# Altium PCB Thunderscope_Rev4.PCBDOC (part 3 of 7)
Units mm, origin at the board's own origin, x right, y up, seen from the top; angles counter-clockwise.
Board outline 119 x 103.6 mm, 6 copper layers (Top Layer, Int1 (GND), Int2 (Sign), Int3 (Sign), Int4 (GND), Bottom Layer), stack 1.49 mm thick; 636 components, 373 nets, 2159 pads, 1291 vias.
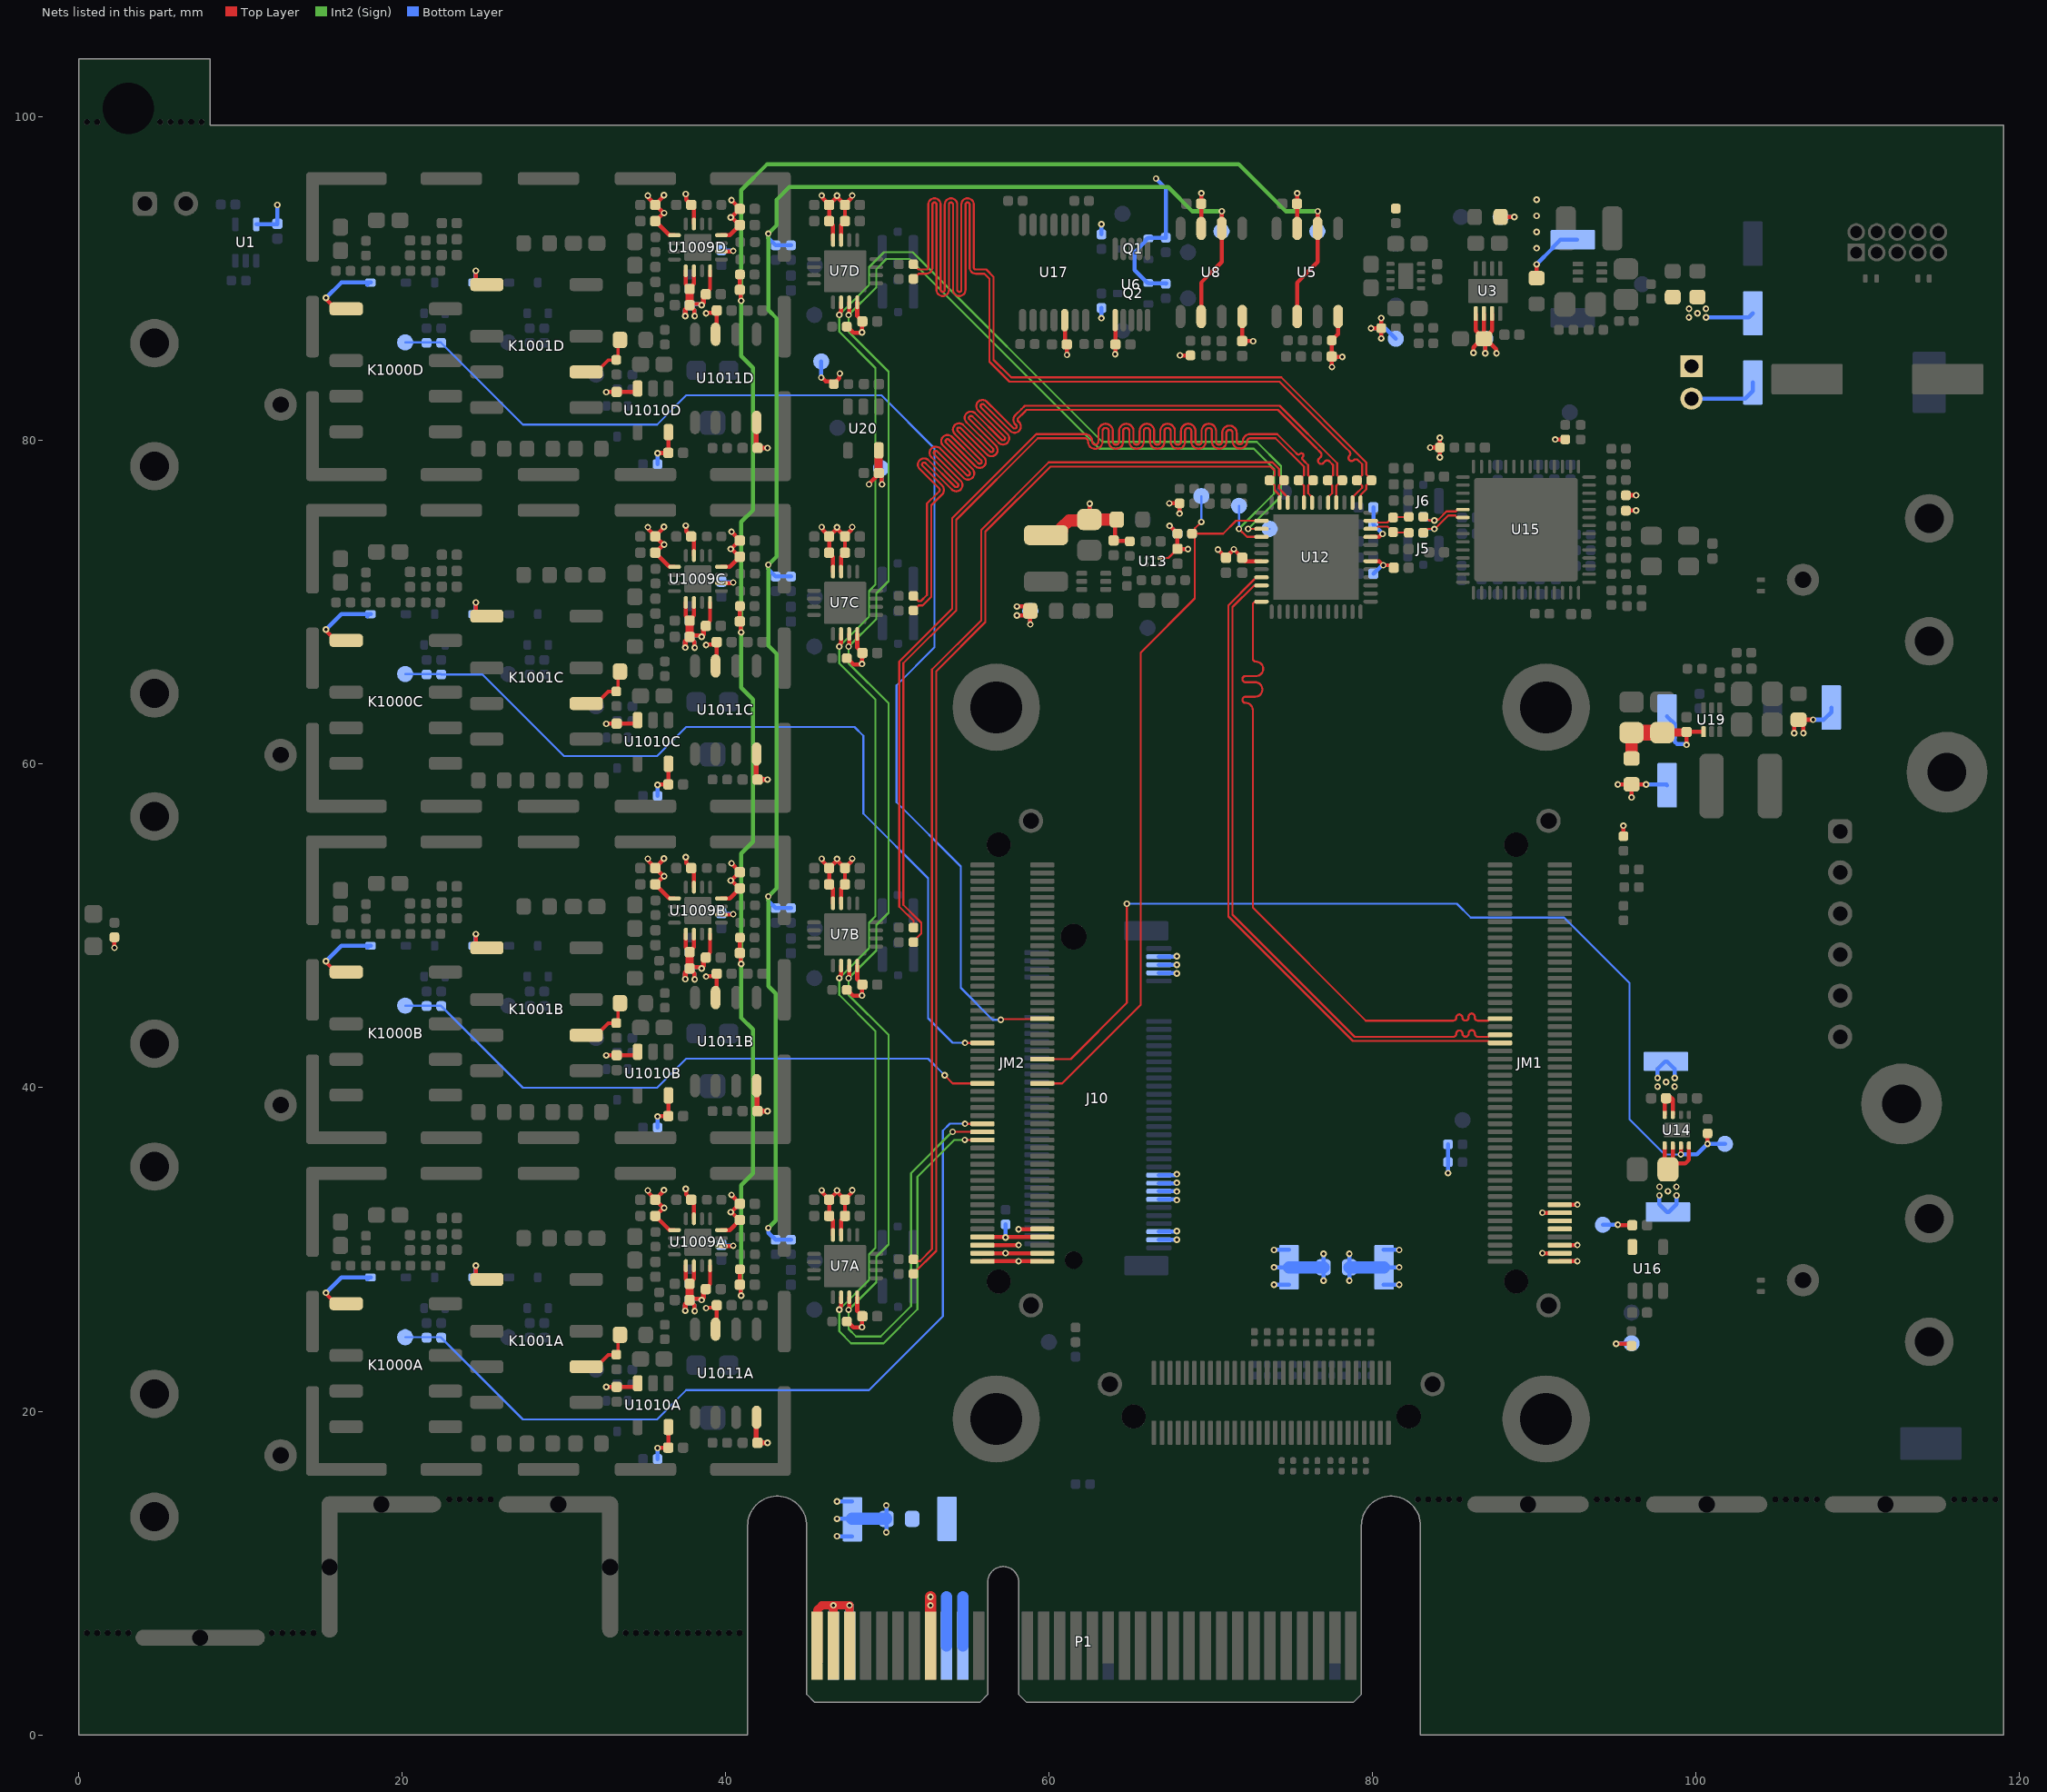
[diagram p7: the nets of this part, all layers, seen from the top]

## Via types
v1: diameter 0.406, hole 0.203, Top Layer to Bottom Layer, tented both sides, 1291 vias

## Nets (pads, with @x,y where several pads share a name; then routed paths per layer and width w, separated by ;. In a path a pad name is that pad's centre, name@x,y a point inside that pad or via, vN(x,y) a via of type N, cw(c..) or ccw(c..) an arc to the next point about the centre after c; other vN are vias at no path point) (continued)
+1V8D: C47.2 C48.2 C49.2 C50.2 FB2.2 U12.7 U12.30 | length 7.3
  Top Layer w0.25: v1(67.42,76.125) FB2.2@68.05,76.125 v1(68.05,75.495) ; C47.2@71.87,72.605 72.061,72.605 72.098,72.568 72.098,72.55 U12.7@73.118,72.55 ; C47.2@71.925,72.76 C47.2@72.098,72.587 ; U12.30@79.868,72.55 80.397,72.55 v1(80.647,72.3) C48.2@81.297,72.3
  Top Layer w0.254: v1(70.427,73.275) 70.427,73.267 C50.2@70.925,72.768 ; C50.2@70.925,72.76 C50.2@70.925,72.768 ; v1@71.41,73.281 71.925,72.766 C47.2@71.925,72.76 ; v1(71.41,73.287) 71.118,72.994 71.118,72.971 70.925,72.778 C50.2@70.925,72.768
  Bottom Layer w0.25: C49.2@80.035,71.775 80.054,71.775 80.549,72.27 80.617,72.27 v1(80.647,72.3)
+1V92: C51.2 C53.2 L2.2 R37.2 R58.1 TP38.1 | length 9.3
  Top Layer w0.254: C53.2@62.475,75.125 62.5,75.15 v1(62.5,76.105) ; R58.1@64.175,75.125 64.075,75.025 64.075,73.935 C51.2@63.975,73.835 64.005,73.805 64.945,73.805 R37.2@64.975,73.775
  Top Layer w0.75: L2.2@59.8,74.16 60.545,74.16 60.785,74.4 60.785,74.636 61.224,75.075 62.425,75.075 C53.2@62.475,75.125 R58.1@64.175,75.125
  Bottom Layer w0.254: TP38.1@62.475,75.125 62.488,75.138 62.488,76.093 v1(62.5,76.105)
+2V5: C106.2 JM1.10 JM1.12 TP31.1 U16.5 | length 1.8
  Top Layer w0.254: v1(95.15,31.525) 95.162,31.512 96.027,31.512 C106.2@96.04,31.5
  Bottom Layer w0.254: TP31.1@94.225,31.525 v1(95.15,31.525)
+3V3: C1.1 C57.2 C58.2 C61.2 C92.2 D1000A.1 D1000B.1 D1000C.1 D1000D.1 D1001A.1 D1001B.1 D1001C.1 D1001D.1 FB5.1 K1000A.1 K1000B.1 K1000C.1 K1000D.1 K1001A.1 K1001B.1 K1001C.1 K1001D.1 Q1.2 Q2.2 R5.2 R20.2 R21.2 R36.1 R42.2 R44.2 R67.2 R89.2 R90.2 R91.2 R110.1 TP8.1 TP28.1 TP47.1 U1.5 U12.33 U13.C2 U14.7 U14.8 | length 63.7
  Top Layer w0.127: U13.C2@66.825,72.75 67.365,72.75 C61.2@67.925,73.31
  Top Layer w0.254: v1(2.2,48.65) R67.2@2.2,49.3 ; v1(15.275,27.325) v1@15.287,27.325 ; v1(15.275,47.825) v1@15.287,47.825 ; v1(15.275,68.325) v1@15.287,68.325 ; v1(15.275,88.825) v1@15.287,88.825 ; v1@15.287,27.25 K1000A.1@15.888,26.65 ; v1@15.287,47.75 K1000B.1@15.888,47.15 ; v1@15.287,68.25 K1000C.1@15.888,67.65 ; v1@15.287,88.75 K1000D.1@15.888,88.15 ; K1000A.1@15.888,26.725 K1000A.1@16.53,26.725 ; K1000B.1@15.888,47.225 K1000B.1@16.53,47.225 ; K1000C.1@15.888,67.725 K1000C.1@16.53,67.725 ; K1000D.1@15.888,88.225 K1000D.1@16.53,88.225 ; v1(24.55,29) 24.55,28.417 24.692,28.275 K1001A.1@25.23,28.275 ; v1(24.55,49.5) 24.55,48.917 24.692,48.775 K1001B.1@25.23,48.775 ; v1(24.55,70) 24.55,69.417 24.692,69.275 K1001C.1@25.23,69.275 ; v1(24.55,90.5) 24.55,89.917 24.692,89.775 K1001D.1@25.23,89.775 ; v1(58,69.2) 58.55,69.2 R36.1@58.825,69.475 ; v1(58,69.75) 58.55,69.75 R36.1@58.825,69.475 ; v1(58.825,68.645) R36.1@58.825,69.475 ; v1(67.435,74.74) R42.2@67.925,74.25 C61.2@67.925,73.31 ; C61.2@67.93,73.305 v1@68.57,73.305 ; U12.33@79.868,74.05 79.87,74.052 80.382,74.052 80.57,74.24 v1(80.607,74.24) ; v1(83.55,79.575) FB5.1@84.15,79.575 ; v1(84.15,78.975) FB5.1@84.15,79.575 ; v1(84.15,80.175) FB5.1@84.15,79.575 ; v1(91.275,80.075) R89.2@91.879,80.075 ; R110.1@95.5,55.55 v1(95.5,56.2) ; R90.2@95.625,75.671 95.629,75.675 96.272,75.675 v1(96.276,75.679) ; R91.2@95.625,76.621 95.629,76.625 96.272,76.625 v1(96.276,76.629) ; U14.8@98.05,38.325 98.052,38.327 98.052,39.267 C92.2@98.135,39.35 98.308,39.177 C92.2@98.381,39.177 ; C92.2@98.3,39.525 98.55,39.275 U14.7@98.55,38.325
  Bottom Layer w0.254: U1.5@10.975,93.375 10.992,93.392 12.257,93.392 C1.1@12.275,93.41 v1(12.275,94.575) ; v1(15.275,27.325) 16.225,28.275 D1000A.1@17.95,28.275 ; v1(15.275,47.825) 16.225,48.775 D1000B.1@17.95,48.775 ; v1(15.275,68.325) 16.225,69.275 D1000C.1@17.95,69.275 ; v1(15.275,88.825) 16.225,89.775 D1000D.1@17.95,89.775 ; D1000A.1@17.827,28.152 D1000A.1@17.95,28.275 ; D1000B.1@17.827,48.652 D1000B.1@17.95,48.775 ; D1000C.1@17.827,69.152 D1000C.1@17.95,69.275 ; D1000D.1@17.827,89.652 D1000D.1@17.95,89.775 ; D1000A.1@18.07,28.275 D1000A.1@18.025,28.275 D1000A.1@17.95,28.275 ; D1000B.1@18.07,48.775 D1000B.1@18.025,48.775 D1000B.1@17.95,48.775 ; D1000C.1@18.07,69.275 D1000C.1@18.025,69.275 D1000C.1@17.95,69.275 ; D1000D.1@18.07,89.775 D1000D.1@18.025,89.775 D1000D.1@17.95,89.775 ; D1001A.1@24.445,28.275 24.521,28.351 24.521,28.971 v1(24.55,29) ; D1001B.1@24.445,48.775 24.521,48.851 24.521,49.471 v1(24.55,49.5) ; D1001C.1@24.445,69.275 24.521,69.351 24.521,69.971 v1(24.55,70) ; D1001D.1@24.445,89.775 24.521,89.851 24.521,90.471 v1(24.55,90.5) ; v1(58.825,68.645) TP28.1@58.825,69.475 ; v1(66.6,96.2) 67.2,95.6 R20.2@67.2,92.55 67.175,92.525 66.15,92.525 Q1.2@66.125,92.5 66.06,92.5 65.952,92.392 65.952,92.327 65.275,91.65 65.275,90.535 66.06,89.75 Q2.2@66.125,89.75 66.15,89.725 67.175,89.725 R21.2@67.2,89.7 R21.2@67.225,89.725 ; v1(67.435,74.74) R44.2@67.925,74.25 ; C58.2@80.035,75.875 C57.2@80.035,74.825 80.035,74.818 80.607,74.246 v1(80.607,74.24) ; v1(97.61,40.605) 97.61,41.152 98.083,41.625 TP47.1@98.125,41.625 98.19,41.625 98.663,41.152 v1(98.663,40.605) ; v1(100.6,87.62) 103.245,87.62 TP8.1@103.5,87.875
  other v1: 97.612,40.072 98.658,40.072 98.135,40.35 68.575,73.3 99.547,87.62 100.075,87.875 99.552,88.153 100.598,88.153
+3V3_IN: C91.2 JM1.2 JM1.4 JM1.6 JM1.14 JM1.16 JM2.1 JM2.2 JM2.3 JM2.4 JM2.5 JM2.7 JM2.8 JM2.10 R66.2 R87.2 R95.2 R101.2 R102.2 R104.1 TP14.1 TP32.1 TP41.1 TP46.1 U14.1 U14.2 U14.4 | length 45.7
  Top Layer w0.254: JM2.1@55.867,29.271 55.869,29.273 58.098,29.273 v1(58.1,29.275) 58.102,29.273 59.565,29.273 JM2.2@59.567,29.271 ; JM2.3@55.867,29.771 55.869,29.773 57.298,29.773 v1(57.3,29.775) 57.302,29.773 59.565,29.773 JM2.4@59.567,29.771 ; JM2.5@55.867,30.271 58.096,30.271 v1(58.1,30.275) ; JM2.7@55.867,30.771 55.877,30.76 57.29,30.76 v1(57.3,30.75) 57.31,30.76 59.557,30.76 JM2.8@59.567,30.771 ; v1(58.1,31.25) 58.11,31.26 59.557,31.26 JM2.10@59.567,31.271 ; v1(90.487,29.775) 90.489,29.773 91.565,29.773 JM1.4@91.567,29.771 ; v1(90.487,32.275) 90.489,32.273 91.565,32.273 JM1.14@91.567,32.271 ; JM1.2@91.567,29.271 91.569,29.273 92.645,29.273 v1(92.647,29.275) ; JM1.6@91.567,30.271 91.569,30.273 92.645,30.273 v1(92.647,30.275) ; JM1.16@91.567,32.771 91.569,32.773 92.645,32.773 v1(92.647,32.775) ; v1(95.05,24.175) 95.875,24.175 R104.1@96,24.05 ; U14.1@98.05,36.425 98.052,36.423 98.052,35.148 C91.2@98.25,34.95 C91.2@98.548,35.248 ; U14.2@98.55,36.425 98.548,36.423 C91.2@98.548,35.248 ; U14.4@99.55,36.425 99.55,35.55 99.309,35.309 98.609,35.309 C91.2@98.548,35.248
  Bottom Layer w0.254: v1(46.87,12.275) TP41.1@47.8,12.275 ; v1(46.87,13.35) TP41.1@47.8,13.35 ; v1(46.87,14.425) TP41.1@47.8,14.425 ; v1(49.925,12.52) R87.2@49.925,13.35 v1(49.925,14.18) ; v1(57.3,30.75) R66.2@57.3,31.55 ; v1(78.55,28.07) R95.2@78.55,28.9 v1(78.55,29.73) ; TP46.1@80.675,27.825 v1(81.63,27.825) ; TP46.1@80.675,28.9 v1(81.63,28.9) ; TP46.1@80.675,29.975 v1(81.63,29.975) ; v1(84.65,34.725) R102.2@84.65,35.4 R101.2@84.65,36.5 ; v1(95.05,24.175) 95.063,24.188 95.988,24.188 TP14.1@96,24.2 ; v1(97.722,33.345) 97.722,32.798 98.195,32.325 TP32.1@98.25,32.325 98.302,32.325 98.775,32.798 v1(98.775,33.345)
  Bottom Layer w0.75: TP41.1@47.8,13.35 R87.2@49.925,13.35 ; R95.2@78.55,28.9 80.675,28.9 TP46.1@80.7,28.9
  other v1: 98.25,33.6 97.727,33.878 98.773,33.878
+3V3_M2: J10.3 J10.5 J10.13 J10.15 J10.17 J10.19 J10.69 J10.71 J10.73 R95.1 TP45.1 | length 16.6
  Bottom Layer w0.254: J10.3@66.775,30.6 v1(67.88,30.6) ; J10.5@66.775,31.1 67.805,31.1 67.839,31.133 v1(67.88,31.133) ; J10.13@66.775,33.1 67.797,33.1 67.839,33.058 v1(67.88,33.058) ; J10.15@66.775,33.6 66.779,33.596 67.876,33.596 v1(67.88,33.592) ; J10.17@66.775,34.1 67.855,34.1 v1(67.88,34.125) ; J10.19@66.775,34.6 67.78,34.6 67.839,34.658 v1(67.88,34.658) ; J10.69@66.775,47.1 66.792,47.083 67.863,47.083 v1(67.88,47.067) ; J10.71@66.775,47.6 v1(67.88,47.6) ; J10.73@66.775,48.1 67.805,48.1 67.839,48.133 v1(67.88,48.133) ; v1(73.895,27.825) TP45.1@74.825,27.825 ; v1(73.895,28.9) TP45.1@74.825,28.9 ; v1(73.895,29.975) TP45.1@74.825,29.975 ; v1(76.95,28.07) R95.1@76.95,28.9 v1(76.95,29.73)
  Bottom Layer w0.75: TP45.1@74.825,28.9 R95.1@76.95,28.9
+3V3_PCIe: P1.A9 P1.A10 P1.B8 R87.1 TP40.1 | length 9.1
  Top Layer w0.7: P1.B8@52.65,5.5 v1(52.65,8) v1(52.65,8.533)
  Bottom Layer w0.7: P1.A9@53.65,5.5 53.65,8.525 ; P1.A10@54.65,5.5 54.65,8.525
+3V3_PGA: C26A.2 C26B.2 C26C.2 C26D.2 C126.2 R29A.2 R29B.2 R29C.2 R29D.2 TP53.1 U7A.12 U7B.12 U7C.12 U7D.12 U20.5 | length 16.5
  Top Layer w0.254: R29A.2@47.5,25.55 47.512,25.55 47.887,25.175 48.4,25.175 v1(48.425,25.2) 48.432,25.207 48.432,25.868 C26A.2@48.44,25.875 48.44,25.893 48.125,26.208 U7A.12@48.125,27.05 ; R29B.2@47.5,46.05 47.512,46.05 47.887,45.675 48.4,45.675 v1(48.425,45.7) 48.432,45.707 48.432,46.368 C26B.2@48.44,46.375 48.44,46.393 48.125,46.708 U7B.12@48.125,47.55 ; R29C.2@47.5,66.55 47.512,66.55 47.887,66.175 48.4,66.175 v1(48.425,66.2) 48.432,66.208 48.432,66.868 C26C.2@48.44,66.875 48.44,66.893 48.125,67.208 U7C.12@48.125,68.05 ; R29D.2@47.5,87.05 47.512,87.05 47.887,86.675 48.4,86.675 v1(48.425,86.7) 48.432,86.707 48.432,87.368 C26D.2@48.44,87.375 48.44,87.393 48.125,87.708 U7D.12@48.125,88.55 ; v1(48.856,77.3) 48.856,77.341 49.287,77.772 49.287,77.827 C126.2@49.46,78 49.621,77.839 49.621,77.329 v1(49.65,77.3)
  Top Layer w0.5: U20.5@49.45,79.4 49.455,79.395 49.455,78.005 C126.2@49.46,78
  Bottom Layer w0.254: TP53.1@49.6,78.3 49.625,78.275 49.625,77.325 v1(49.65,77.3)
+5V: C7.2 C12.1 C13.2 C17.1 C22A.2 C22B.2 C22C.2 C22D.2 C23A.2 C23B.2 C23C.2 C23D.2 C24A.2 C24B.2 C24C.2 C24D.2 C25A.2 C25B.2 C25C.2 C25D.2 C107.2 C1039A.2 C1039B.2 C1039C.2 C1039D.2 C1040A.1 C1040B.1 C1040C.1 C1040D.1 C1041A.1 C1041B.1 C1041C.1 C1041D.1 C1042A.1 C1042B.1 C1042C.1 C1042D.1 C1043A.2 C1043B.2 C1043C.2 C1043D.2 C1044A.2 C1044B.2 C1044C.2 C1044D.2 C1045A.2 C1045B.2 C1045C.2 C1045D.2 R22.2 R23.2 R24.2 R117.1 R1060A.2 R1060B.2 R1060C.2 R1060D.2 TP10.1 TP54.1 U3.1 U3.2 U3.3 U5.7 U6.1 U7A.3 U7A.4 U7B.3 U7B.4 U7C.3 U7C.4 U7D.3 U7D.4 U8.7 U17.12 U1009A.1 U1009A.12 U1009A.15 U1009B.1 U1009B.12 U1009B.15 U1009C.1 U1009C.12 U1009C.15 U1009D.1 U1009D.12 U1009D.15 U1010A.5 U1010B.5 U1010C.5 U1010D.5 U1011A.7 U1011B.7 U1011C.7 U1011D.7 | length 113.5
  Top Layer w0.25: v1(35.175,33.654) 35.215,33.615 35.215,33.514 35.635,33.094 C1040A.1@35.635,33.075 C1040A.1@35.654,33.075 ; v1(35.175,54.154) 35.215,54.115 35.215,54.014 35.635,53.594 C1040B.1@35.635,53.575 C1040B.1@35.654,53.575 ; v1(35.175,74.654) 35.215,74.615 35.215,74.514 35.635,74.094 C1040C.1@35.635,74.075 C1040C.1@35.654,74.075 ; v1(35.175,95.154) 35.215,95.115 35.215,95.014 35.635,94.594 C1040D.1@35.635,94.575 C1040D.1@35.654,94.575 ; C1042A.1@35.635,32.075 36.508,31.202 36.548,31.202 36.55,31.2 U1009A.1@36.825,31.2 ; C1042B.1@35.635,52.575 36.508,51.702 36.548,51.702 36.55,51.7 U1009B.1@36.825,51.7 ; C1042C.1@35.635,73.075 36.508,72.202 36.548,72.202 36.55,72.2 U1009C.1@36.825,72.2 ; C1042D.1@35.635,93.575 36.508,92.702 36.548,92.702 36.55,92.7 U1009D.1@36.825,92.7 ; C1042A.1@35.654,32.075 36.151,32.572 v1(36.185,32.572) ; C1042B.1@35.654,52.575 36.151,53.072 v1(36.185,53.072) ; C1042C.1@35.654,73.075 36.151,73.572 v1(36.185,73.572) ; C1042D.1@35.654,93.575 36.151,94.072 v1(36.185,94.072) ; v1@36.125,32.575 36.125,32.604 C1040A.1@35.654,33.075 ; v1@36.125,53.075 36.125,53.104 C1040B.1@35.654,53.575 ; v1@36.125,73.575 36.125,73.604 C1040C.1@35.654,74.075 ; v1@36.125,94.075 36.125,94.104 C1040D.1@35.654,94.575 ; v1(36.175,33.675) 36.175,33.634 35.654,33.113 C1040A.1@35.654,33.075 ; v1(36.175,54.175) 36.175,54.134 35.654,53.613 C1040B.1@35.654,53.575 ; v1(36.175,74.675) 36.175,74.634 35.654,74.113 C1040C.1@35.654,74.075 ; v1(36.175,95.175) 36.175,95.134 35.654,94.613 C1040D.1@35.654,94.575 ; v1(37.525,33.75) 37.555,33.72 37.555,33.399 38.025,32.929 U1009A.15@38.025,31.9 ; v1(37.525,54.25) 37.555,54.22 37.555,53.899 38.025,53.429 U1009B.15@38.025,52.4 ; v1(37.525,74.75) 37.555,74.72 37.555,74.399 38.025,73.929 U1009C.15@38.025,72.9 ; v1(37.525,95.25) 37.555,95.22 37.555,94.899 38.025,94.429 U1009D.15@38.025,93.4 ; v1(38.775,26.375) 38.805,26.405 39.395,26.405 C1039A.2@39.431,26.441 ; v1(38.775,46.875) 38.805,46.905 39.395,46.905 C1039B.2@39.431,46.941 ; v1(38.775,67.375) 38.805,67.405 39.395,67.405 C1039C.2@39.431,67.441 ; v1(38.775,87.875) 38.805,87.905 39.395,87.905 C1039D.2@39.431,87.941 ; U1009A.12@39.725,31.2 40.24,31.2 C1044A.2@40.865,31.825 40.846,31.825 40.403,32.268 40.342,32.268 v1(40.303,32.307) 40.329,32.307 C1041A.1@40.846,32.825 ; U1009B.12@39.725,51.7 40.24,51.7 C1044B.2@40.865,52.325 40.846,52.325 40.403,52.768 40.342,52.768 v1(40.303,52.807) 40.329,52.807 C1041B.1@40.846,53.325 ; U1009C.12@39.725,72.2 40.24,72.2 C1044C.2@40.865,72.825 40.846,72.825 40.403,73.268 40.342,73.268 v1(40.303,73.307) 40.329,73.307 C1041C.1@40.846,73.825 ; U1009D.12@39.725,92.7 40.24,92.7 C1044D.2@40.865,93.325 40.846,93.325 40.403,93.768 40.342,93.768 v1(40.303,93.807) 40.329,93.807 C1041D.1@40.846,94.325 ; v1(40.35,33.375) 40.35,33.358 40.846,32.861 C1041A.1@40.846,32.825 ; v1(40.35,53.875) 40.35,53.858 40.846,53.361 C1041B.1@40.846,53.325 ; v1(40.35,74.375) 40.35,74.358 40.846,73.861 C1041C.1@40.846,73.825 ; v1(40.35,94.875) 40.35,94.858 40.846,94.361 C1041D.1@40.846,94.325 ; v1(45.928,33.657) 45.968,33.617 45.968,33.511 46.385,33.094 C24A.2@46.385,33.075 ; v1(45.928,54.157) 45.968,54.117 45.968,54.011 46.385,53.594 C24B.2@46.385,53.575 ; v1(45.928,74.657) 45.968,74.617 45.968,74.511 46.385,74.094 C24C.2@46.385,74.075 ; v1(45.928,95.157) 45.968,95.117 45.968,95.011 46.385,94.594 C24D.2@46.385,94.575 ; U7A.4@46.625,30.9 46.625,31.816 46.385,32.056 C22A.2@46.385,32.075 C24A.2@46.385,33.075 ; U7B.4@46.625,51.4 46.625,52.316 46.385,52.556 C22B.2@46.385,52.575 C24B.2@46.385,53.575 ; U7C.4@46.625,71.9 46.625,72.816 46.385,73.056 C22C.2@46.385,73.075 C24C.2@46.385,74.075 ; U7D.4@46.625,92.4 46.625,93.316 46.385,93.556 C22D.2@46.385,93.575 C24D.2@46.385,94.575 ; U7A.3@47.125,30.9 47.125,31.816 47.365,32.056 C23A.2@47.365,32.075 C25A.2@47.365,33.075 46.905,33.535 46.905,33.62 v1(46.875,33.65) 46.845,33.62 46.845,33.535 C24A.2@46.385,33.075 ; U7B.3@47.125,51.4 47.125,52.316 47.365,52.556 C23B.2@47.365,52.575 C25B.2@47.365,53.575 46.905,54.035 46.905,54.12 v1(46.875,54.15) 46.845,54.12 46.845,54.035 C24B.2@46.385,53.575 ; U7C.3@47.125,71.9 47.125,72.816 47.365,73.056 C23C.2@47.365,73.075 C25C.2@47.365,74.075 46.905,74.535 46.905,74.62 v1(46.875,74.65) 46.845,74.62 46.845,74.535 C24C.2@46.385,74.075 ; U7D.3@47.125,92.4 47.125,93.316 47.365,93.556 C23D.2@47.365,93.575 C25D.2@47.365,94.575 46.905,95.035 46.905,95.12 v1(46.875,95.15) 46.845,95.12 46.845,95.035 C24D.2@46.385,94.575 ; C25A.2@47.365,33.094 47.778,33.507 47.778,33.62 v1(47.817,33.66) ; C25B.2@47.365,53.594 47.778,54.007 47.778,54.12 v1(47.817,54.16) ; C25C.2@47.365,74.094 47.778,74.507 47.778,74.62 v1(47.817,74.66) ; C25D.2@47.365,94.594 47.778,95.007 47.778,95.12 v1(47.817,95.16)
  Top Layer w0.254: v1(35.775,17.725) 35.788,17.738 36.427,17.738 36.445,17.755 U1010A.5@36.445,19.02 ; v1(35.775,38.225) 35.788,38.238 36.427,38.238 36.445,38.255 U1010B.5@36.445,39.52 ; v1(35.775,58.725) 35.788,58.738 36.427,58.738 36.445,58.755 U1010C.5@36.445,60.02 ; v1(35.775,79.225) 35.788,79.238 36.427,79.238 36.445,79.255 U1010D.5@36.445,80.52 ; U1010A.5@36.445,19.145 U1010A.5@36.45,19.15 ; U1010B.5@36.445,39.645 U1010B.5@36.45,39.65 ; U1010C.5@36.445,60.145 U1010C.5@36.45,60.15 ; U1010D.5@36.445,80.645 U1010D.5@36.45,80.65 ; U1011A.7@39.365,25.075 39.431,25.141 C1039A.2@39.431,26.441 ; U1011B.7@39.365,45.575 39.431,45.641 C1039B.2@39.431,46.941 ; U1011C.7@39.365,66.075 39.431,66.141 C1039C.2@39.431,67.441 ; U1011D.7@39.365,86.575 39.431,86.641 C1039D.2@39.431,87.941 ; U1011A.7@39.415,25.075 U1011A.7@39.453,25.113 ; U1011B.7@39.415,45.575 U1011B.7@39.453,45.613 ; U1011C.7@39.415,66.075 U1011C.7@39.453,66.113 ; U1011D.7@39.415,86.575 U1011D.7@39.453,86.613 ; v1(45.9,83.9) 45.941,83.9 46.182,83.659 46.516,83.659 R117.1@46.675,83.5 46.675,83.512 47.021,83.858 47.021,84.121 v1(47.05,84.15) ; U17.12@60.95,87.45 60.988,87.412 60.988,86.048 C107.2@61.085,85.95 C107.2@61.091,85.944 ; v1(61.096,85.304) 61.091,85.309 61.091,85.933 C107.2@61.096,85.939 ; v1(64.075,85.35) 64.082,85.357 64.082,85.992 64.09,86 64.083,86.007 64.083,87.443 U6.1@64.075,87.45 ; v1(68.075,85.275) R24.2@68.725,85.275 ; U8.7@69.387,93.127 C17.1@69.387,94.648 ; C17.1@69.39,94.655 v1@69.39,95.295 ; U5.7@75.32,93.125 75.318,93.127 75.318,94.648 C12.1@75.315,94.65 75.32,94.655 75.32,95.295 v1(75.325,95.3) ; v1(86.225,85.425) 86.225,85.775 86.402,85.952 86.417,85.952 86.765,86.3 C7.2@86.875,86.3 ; U3.1@86.375,87.855 86.375,86.81 C7.2@86.875,86.31 ; U3.2@86.875,87.855 C7.2@86.875,86.31 ; v1(86.95,85.4) 86.95,86.075 86.875,86.15 C7.2@86.875,86.3 ; U3.3@87.375,87.855 87.375,86.81 C7.2@86.875,86.31 ; v1(87.65,85.4) 87.621,85.429 87.621,85.654 86.975,86.3 C7.2@86.875,86.3 ; C7.2@86.875,86.3 C7.2@86.875,86.31
  Bottom Layer w0.254: R1060A.2@35.775,17.05 v1(35.775,17.725) ; R1060B.2@35.775,37.55 v1(35.775,38.225) ; R1060C.2@35.775,58.05 v1(35.775,58.725) ; R1060D.2@35.775,78.55 v1(35.775,79.225) ; v1(45.9,83.9) TP54.1@45.9,84.9 ; v1(63.225,87.575) R23.2@63.225,88.2 ; R22.2@63.225,92.75 v1(63.225,93.375) ; v1(86.95,85.4) TP10.1@86.95,86.3
  other v1: 69.395,95.3
+5V2: R4.2 R7.1 R8.1 R112.2 TP4.1 TP13.1 TP49.1 | length 10.1
  Top Layer w0.254: R7.1@87.905,93.825 v1(88.755,93.825) ; R4.2@90.125,90.05 v1(90.125,90.9) ; v1(106.05,61.925) 106.05,62.475 R112.2@106.325,62.75 ; v1(106.625,61.925) 106.625,62.45 R112.2@106.325,62.75 ; v1(107.225,62.75) R112.2@106.325,62.75
  Bottom Layer w0.254: TP13.1@87.905,93.825 v1(88.755,93.825) ; v1(90.125,90.9) 91.127,91.902 91.127,91.952 91.6,92.425 TP4.1@92.625,92.425 ; v1(107.225,62.75) 107.877,62.75 108.35,63.223 TP49.1@108.35,63.5
  other v1: 90.125,91.9 90.125,92.9 90.125,93.9 90.125,94.9
+12V: C119.2 C120.2 C121.1 R116.2 TP51.1 U19.1 | length 9.4
  Top Layer w0.254: v1(99.4,61.2) C121.1@99.4,61.99 99.41,62 100.44,62 U19.1@100.45,62.01
  Top Layer w0.5: C120.2@97.9,61.95 97.92,61.97 99.38,61.97 C121.1@99.4,61.99
  Top Layer w0.75: R116.2@96,60.35 C119.2@96,61.95